# KiCad board Ultrasonic Sound Steering - Control Rev. B.kicad_pcb (continued)
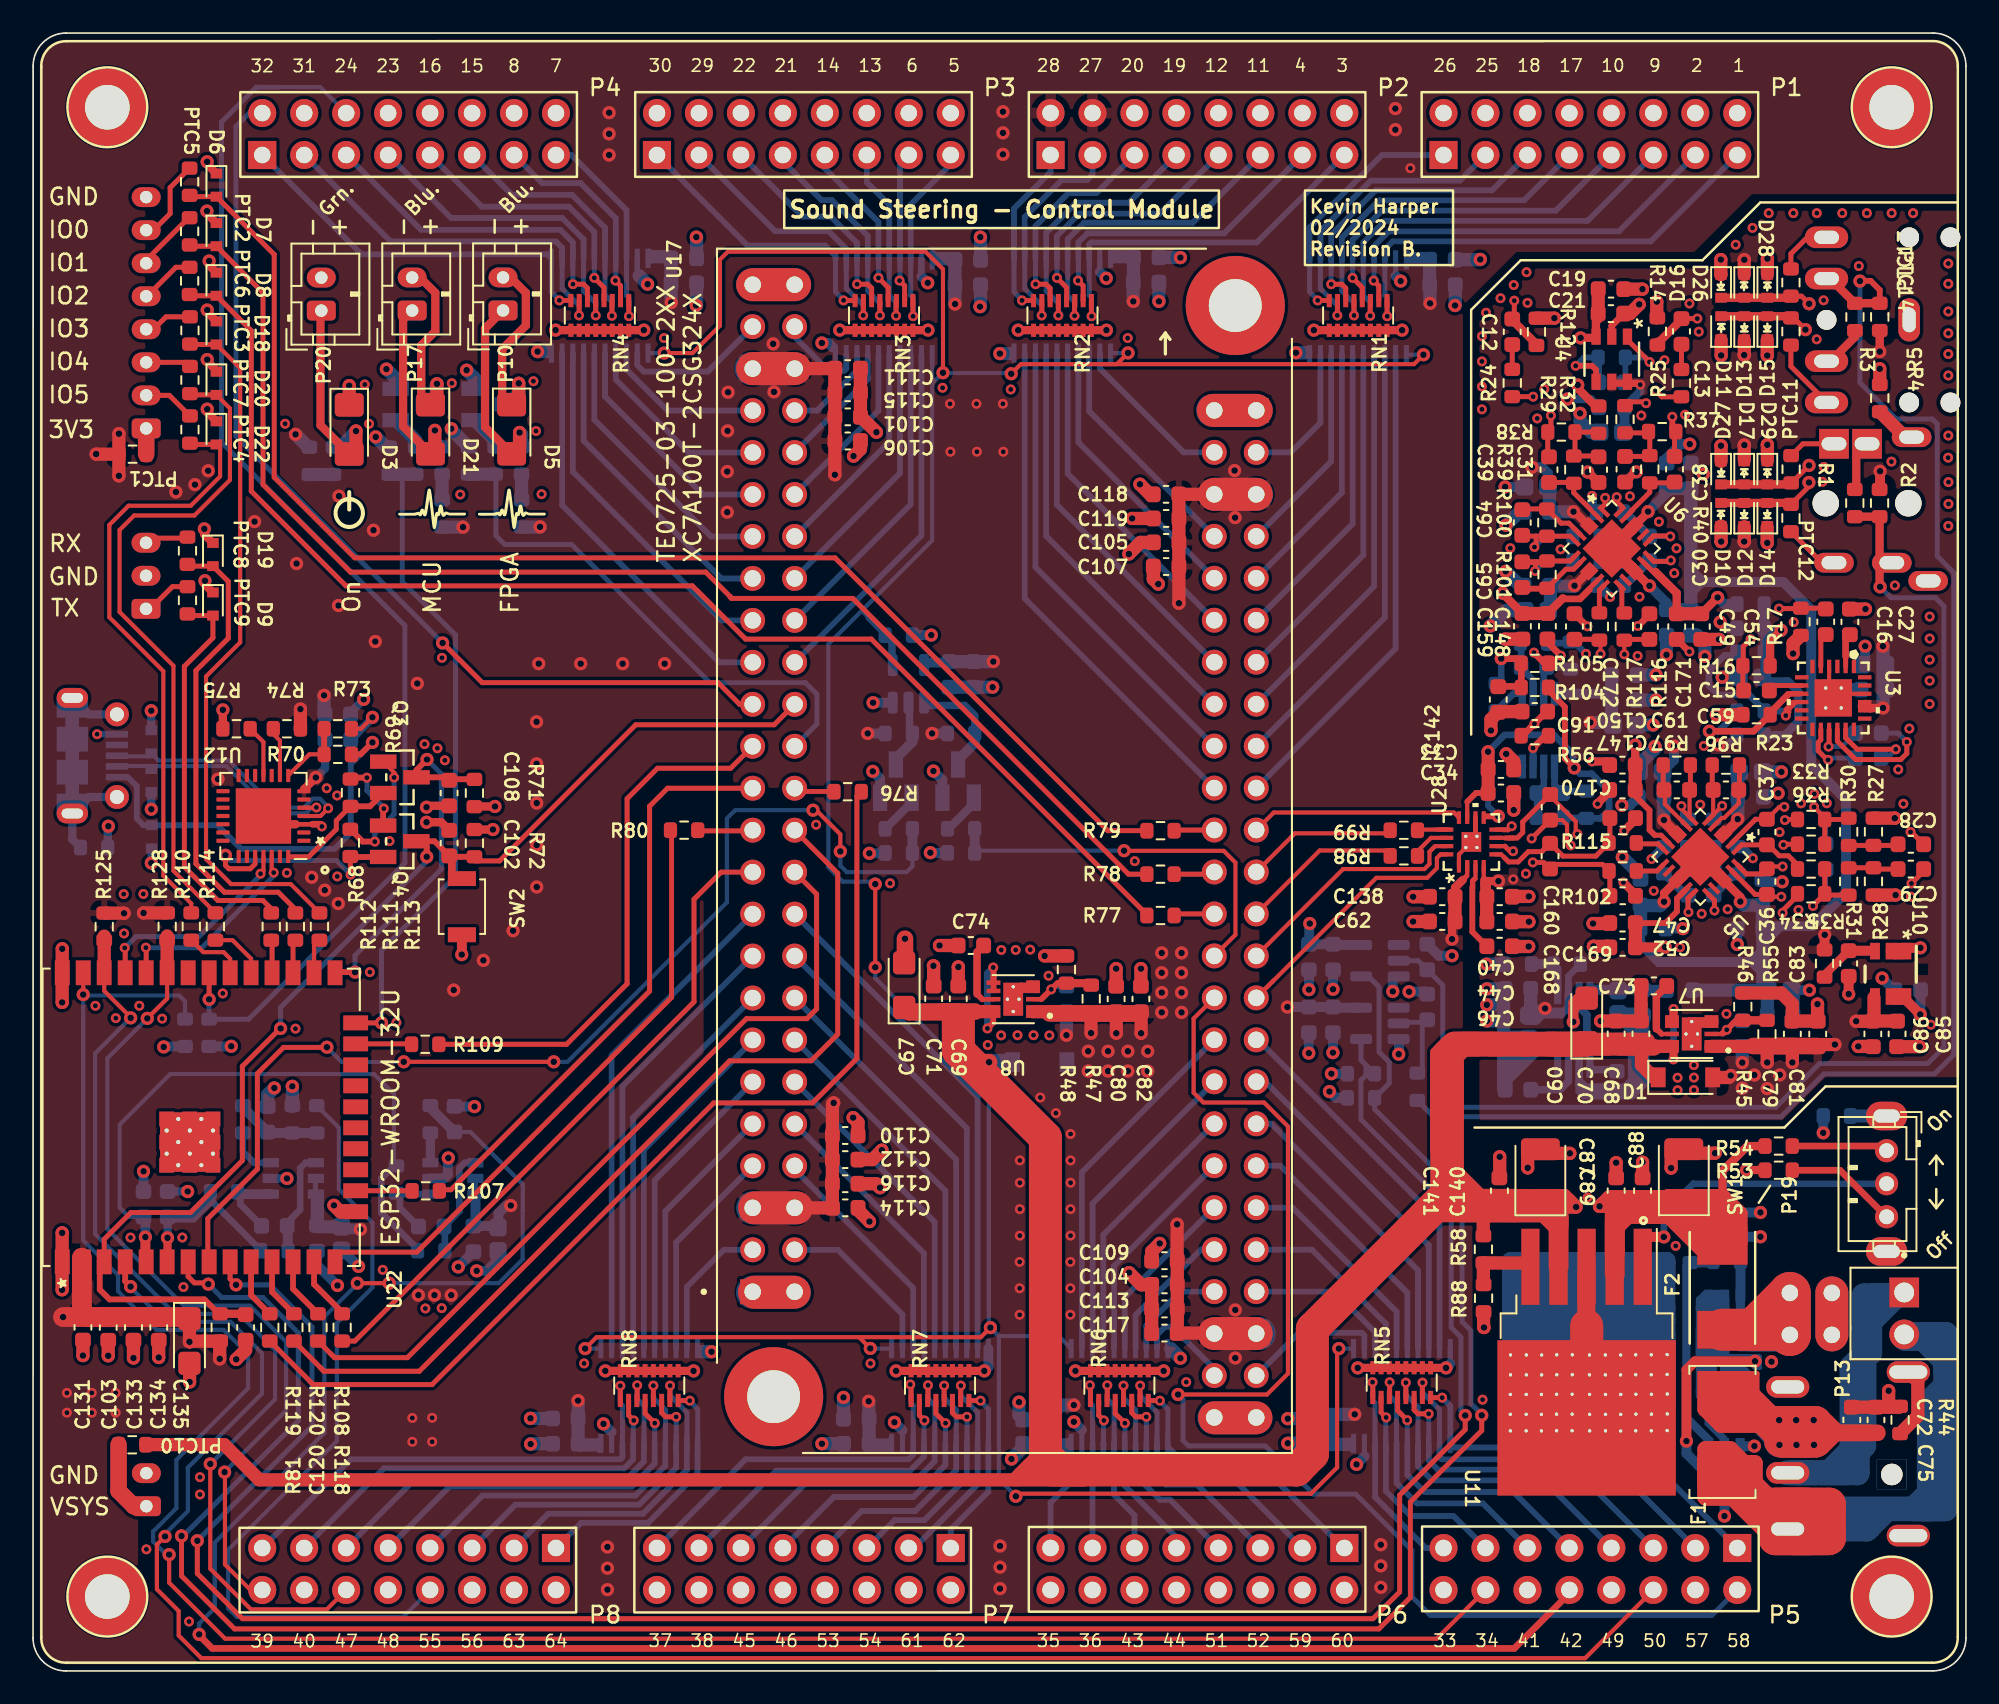
[diagram p0: board, top side]
## Nets (continued)
Net-(C37-Pad2): C37.2 R35.2 U5.2
Net-(C38-Pad1): C38.1 R40.2 U6.23
Net-(C38-Pad2): C38.2 R37.2 U6.24
Net-(C39-Pad1): C39.1 R38.2 U6.1
Net-(C39-Pad2): C39.2 R39.2 U6.2
Net-(C42-Pad2): C42.2 U28.9
Net-(C46-Pad2): C46.2 U28.3
Net-(C55-Pad1): C55.1 R41.2 U5.19
Net-(C55-Pad2): C55.2 R92.2
Net-(C56-Pad1): C56.1 R43.2 U5.18
Net-(C56-Pad2): C56.2 R93.2
Net-(C57-Pad1): C57.1 R42.2 U6.19
Net-(C57-Pad2): C57.2 R95.2
Net-(C58-Pad1): C58.1 R87.2 U6.18
Net-(C58-Pad2): C58.2 R94.2
Net-(C59-Pad1): C59.1 R92.1 R96.2 U5.6
Net-(C59-Pad2): C59.2 R96.1 U5.5
Net-(C61-Pad1): C61.1 R97.2 U5.8
Net-(C61-Pad2): C61.2 R93.1 R97.1 U5.7
Net-(C64-Pad1): C64.1 R95.1 R100.2 U6.6
Net-(C64-Pad2): C64.2 R100.1 U6.5
Net-(C65-Pad1): C65.1 R101.2 U6.8
Net-(C65-Pad2): C65.2 R94.1 R101.1 U6.7
Net-(C72-Pad2): C72.2 C75.2 F1.2 Q5.1 Q5.2 Q5.5 Q5.6
Net-(C73-Pad2): C73.2 U7.8
Net-(C74-Pad2): C74.2 U8.8
Net-(C76-Pad1): C76.1 R45.1 R46.2 U7.3
Net-(C77-Pad1): C77.1 R47.1 R48.2 U8.3
Net-(C78-Pad1): C78.1 R50.1
Net-(C83-Pad2): C83.2 R55.1 U10.3
Net-(C87-Pad2): C87.2 C88.1 C89.2 D4.1 F2.2 R54.2 U11.2
Net-(C90-Pad2): C90.2 C91.2 R56.1 U10.5 U10.6
Net-(C93-Pad1): C93.1 R90.2 U23.1
Net-(C93-Pad2): C93.2 R57.1 U23.2
Net-(C137-Pad1): C137.1 U24.3
Net-(C137-Pad2): C137.2 U24.5
Net-(C142-Pad2): C142.2 R104.1 R105.1 R106.1
Net-(C151-Pad1): C151.1 U24.7
Net-(C152-Pad1): C152.1 R122.2 U23.7
Net-(C152-Pad2): C152.2 R121.1 U23.6
Net-(C153-Pad2): C153.2 C154.1 L1.1 U24.4
Net-(C162-Pad1): C162.1 R130.2 U27.2
Net-(C163-Pad2): C163.2 R129.2 U26.2
Net-(D3-Pad2): D3.2 P20.1 R52.2
Net-(D5-Pad1): D5.1 P10.2 Q1.3
Net-(D5-Pad2): D5.2 P10.1 R60.2
Net-(D21-Pad1): D21.1 P17.2 Q2.3
Net-(D21-Pad2): D21.2 P17.1 R64.2
Net-(F1-Pad1): F1.1 P9.1 P13.2
Net-(P1-Pad1): P1.1 RN1.16 U14.11
Net-(P1-Pad3): P1.3 RN1.15 U14.12
Net-(P1-Pad5): P1.5 RN1.14 U14.13
Net-(P1-Pad7): P1.7 RN1.13 U14.14
Net-(P1-Pad9): P1.9 RN1.12 U14.15
Net-(P1-Pad11): P1.11 RN1.11 U14.16
Net-(P1-Pad13): P1.13 RN1.10 U14.17
Net-(P1-Pad15): P1.15 RN1.9 U14.18
Net-(P2-Pad1): P2.1 RN2.16 U19.11
Net-(P2-Pad3): P2.3 RN2.15 U19.12
Net-(P2-Pad5): P2.5 RN2.14 U19.13
Net-(P2-Pad7): P2.7 RN2.13 U19.14
Net-(P2-Pad9): P2.9 RN2.12 U19.15
Net-(P2-Pad11): P2.11 RN2.11 U19.16
Net-(P2-Pad13): P2.13 RN2.10 U19.17
Net-(P2-Pad15): P2.15 RN2.9 U19.18
Net-(P3-Pad1): P3.1 RN3.16 U16.11
Net-(P3-Pad3): P3.3 RN3.15 U16.12
Net-(P3-Pad5): P3.5 RN3.14 U16.13
Net-(P3-Pad7): P3.7 RN3.13 U16.14
Net-(P3-Pad9): P3.9 RN3.12 U16.15
Net-(P3-Pad11): P3.11 RN3.11 U16.16
Net-(P3-Pad13): P3.13 RN3.10 U16.17
Net-(P3-Pad15): P3.15 RN3.9 U16.18
Net-(P4-Pad1): P4.1 RN4.16 U21.11
Net-(P4-Pad3): P4.3 RN4.15 U21.12
Net-(P4-Pad5): P4.5 RN4.14 U21.13
Net-(P4-Pad7): P4.7 RN4.13 U21.14
Net-(P4-Pad9): P4.9 RN4.12 U21.15
Net-(P4-Pad11): P4.11 RN4.11 U21.16
Net-(P4-Pad13): P4.13 RN4.10 U21.17
Net-(P4-Pad15): P4.15 RN4.9 U21.18
Net-(P5-Pad1): P5.1 RN5.16 U13.11
Net-(P5-Pad3): P5.3 RN5.15 U13.12
Net-(P5-Pad5): P5.5 RN5.14 U13.13
Net-(P5-Pad7): P5.7 RN5.13 U13.14
Net-(P5-Pad9): P5.9 RN5.12 U13.15
Net-(P5-Pad11): P5.11 RN5.11 U13.16
Net-(P5-Pad13): P5.13 RN5.10 U13.17
Net-(P5-Pad15): P5.15 RN5.9 U13.18
Net-(P6-Pad1): P6.1 RN6.16 U18.11
Net-(P6-Pad3): P6.3 RN6.15 U18.12
Net-(P6-Pad5): P6.5 RN6.14 U18.13
Net-(P6-Pad7): P6.7 RN6.13 U18.14
Net-(P6-Pad9): P6.9 RN6.12 U18.15
Net-(P6-Pad11): P6.11 RN6.11 U18.16
Net-(P6-Pad13): P6.13 RN6.10 U18.17
Net-(P6-Pad15): P6.15 RN6.9 U18.18
Net-(P7-Pad1): P7.1 RN7.16 U15.11
Net-(P7-Pad3): P7.3 RN7.15 U15.12
Net-(P7-Pad5): P7.5 RN7.14 U15.13
Net-(P7-Pad7): P7.7 RN7.13 U15.14
Net-(P7-Pad9): P7.9 RN7.12 U15.15
Net-(P7-Pad11): P7.11 RN7.11 U15.16
Net-(P7-Pad13): P7.13 RN7.10 U15.17
Net-(P7-Pad15): P7.15 RN7.9 U15.18
Net-(P8-Pad1): P8.1 RN8.16 U20.11
Net-(P8-Pad3): P8.3 RN8.15 U20.12
Net-(P8-Pad5): P8.5 RN8.14 U20.13
Net-(P8-Pad7): P8.7 RN8.13 U20.14
Net-(P8-Pad9): P8.9 RN8.12 U20.15
Net-(P8-Pad11): P8.11 RN8.11 U20.16
Net-(P8-Pad13): P8.13 RN8.10 U20.17
Net-(P8-Pad15): P8.15 RN8.9 U20.18
Net-(P9-Pad5): P9.5 P9.6 R44.2
Net-(P11-Pad2): P11.2 PTC12.2
Net-(P11-Pad3): P11.3 PTC11.2
Net-(P11-Pad4): P11.4 R4.2
Net-(P11-Pad6): P11.6 R2.2
Net-(P12-Pad2): P12.2 PTC14.2
Net-(P12-Pad3): P12.3 PTC13.2
Net-(P12-Pad4): P12.4 R5.2
Net-(P13-Pad1): P9.3 P13.1
Net-(P14-Pad1): P14.1 PTC1.1
Net-(P14-Pad2): P14.2 PTC4.1
Net-(P14-Pad3): P14.3 PTC7.1
Net-(P14-Pad4): P14.4 PTC3.1
Net-(P14-Pad5): P14.5 PTC6.1
Net-(P14-Pad6): P14.6 PTC2.1
Net-(P14-Pad7): P14.7 PTC5.1
Net-(P15-Pad1): P15.1 PTC9.1
Net-(P15-Pad3): P15.3 PTC8.1
Net-(P18-Pad6): P18.6 R67.2
Net-(P19-Pad1): R53.2 SW1.1
Net-(P19-Pad3): R54.1 SW1.3
Net-(P21-Pad1): P21.1 PTC10.2
Net-(Q1-Pad1): Q1.1 R61.2
Net-(Q2-Pad1): Q2.1 R65.2
Net-(Q3-Pad1): Q3.1 R68.2
Net-(Q4-Pad1): Q4.1 R69.2
Net-(Q5-Pad3): Q5.3 U9.5
Net-(Q5-Pad4): Q5.4 Q6.1 Q6.2 Q6.5 Q6.6 U9.1
Net-(Q6-Pad3): Q6.3 R49.2
Net-(Q7-Pad1): Q7.1 R83.2
Net-(Q7-Pad3): Q7.3 R84.2 U25.2
Net-(Q8-Pad1): Q8.1 R86.2
Net-(Q8-Pad3): Q8.3 R91.2 U25.1
Net-(R8-Pad1): R8.1 U1.3
Net-(R9-Pad2): R9.2 U2.3
Net-(R19-Pad1): R19.1 R22.2 U3.10
Net-(R22-Pad1): R22.1 R23.2 U3.9
Net-(R49-Pad1): R49.1 R50.2 U9.4
Net-(R51-Pad1): R51.1 R52.1
Net-(R56-Pad2): R56.2 U23.3
Net-(R58-Pad1): R58.1 R88.2 U11.5
Net-(R59-Pad1): R59.1 R60.1
Net-(R63-Pad1): R63.1 R64.1
Net-(R70-Pad1): R70.1 R73.1 U12.8
Net-(R74-Pad2): R74.2 U12.9
Net-(R75-Pad1): R75.1 U12.11
Net-(R76-Pad2): R76.2 U17.26_1
Net-(R77-Pad1): R77.1 U17.26_2
Net-(R78-Pad1): R78.1 U17.24_2
Net-(R79-Pad1): R79.1 U17.22_2
Net-(R80-Pad1): R80.1 U17.23_1
Net-(R98-Pad1): R98.1 U28.14
Net-(R99-Pad1): R99.1 U28.13
Net-(R102-Pad2): R102.2 U5.13
Net-(R103-Pad2): R89.1 R103.2 U24.1
Net-(R106-Pad2): R106.2 U23.5
Net-(R107-Pad1): R107.1 U22.16
Net-(R108-Pad1): R108.1 U22.13
Net-(R109-Pad1): R109.1 U22.23
Net-(R110-Pad1): R110.1 U22.30
Net-(R111-Pad1): R111.1 U22.27
Net-(R112-Pad1): R112.1 U22.28
Net-(R113-Pad1): R113.1 U22.26
Net-(R114-Pad1): R114.1 U22.29
Net-(R115-Pad2): R115.2 U5.12
Net-(R116-Pad2): R116.2 U6.13
Net-(R117-Pad2): R117.2 U6.12
Net-(R118-Pad1): R118.1 U22.10
Net-(R119-Pad1): R119.1 U22.11
Net-(R120-Pad1): R120.1 U22.12
Net-(R126-Pad1): R126.1 SW1.4 SW1.5
Net-(U13-Pad2): U13.2 U17.47_2
Net-(U13-Pad3): U13.3 U17.43_2
Net-(U13-Pad4): U13.4 U17.41_2
Net-(U13-Pad5): U13.5 U17.39_2
Net-(U13-Pad6): U13.6 U17.37_2
Net-(U13-Pad7): U13.7 U17.35_2
Net-(U13-Pad8): U13.8 U17.33_2
Net-(U13-Pad9): U13.9 U17.31_2
Net-(U14-Pad2): U14.2 U17.19_2
Net-(U14-Pad3): U14.3 U17.17_2
Net-(U14-Pad4): U14.4 U17.15_2
Net-(U14-Pad5): U14.5 U17.13_2
Net-(U14-Pad6): U14.6 U17.11_2
Net-(U14-Pad7): U14.7 U17.9_2
Net-(U14-Pad8): U14.8 U17.7_2
Net-(U14-Pad9): U14.9 U17.3_2
Net-(U15-Pad2): U15.2 U17.4_1
Net-(U15-Pad3): U15.3 U17.8_1
Net-(U15-Pad4): U15.4 U17.10_1
Net-(U15-Pad5): U15.5 U17.12_1
Net-(U15-Pad6): U15.6 U17.14_1
Net-(U15-Pad7): U15.7 U17.16_1
Net-(U15-Pad8): U15.8 U17.18_1
Net-(U15-Pad9): U15.9 U17.20_1
Net-(U16-Pad2): U16.2 U17.32_1
Net-(U16-Pad3): U16.3 U17.34_1
Net-(U16-Pad4): U16.4 U17.36_1
Net-(U16-Pad5): U16.5 U17.38_1
Net-(U16-Pad6): U16.6 U17.40_1
Net-(U16-Pad7): U16.7 U17.42_1
Net-(U16-Pad8): U16.8 U17.44_1
Net-(U16-Pad9): U16.9 U17.48_1
Net-(U17-Pad3_1): U17.3_1 U20.9
Net-(U17-Pad4_2): U17.4_2 U19.2
Net-(U17-Pad7_1): U17.7_1 U20.8
Net-(U17-Pad8_2): U17.8_2 U19.3
Net-(U17-Pad9_1): U17.9_1 U20.7
Net-(U17-Pad10_2): U17.10_2 U19.4
Net-(U17-Pad11_1): U17.11_1 U20.6
Net-(U17-Pad12_2): U17.12_2 U19.5
Net-(U17-Pad13_1): U17.13_1 U20.5
Net-(U17-Pad14_2): U17.14_2 U19.6
Net-(U17-Pad15_1): U17.15_1 U20.4
Net-(U17-Pad16_2): U17.16_2 U19.7
Net-(U17-Pad17_1): U17.17_1 U20.3
Net-(U17-Pad18_2): U17.18_2 U19.8
Net-(U17-Pad19_1): U17.19_1 U20.2
Net-(U17-Pad20_2): U17.20_2 U19.9
Net-(U17-Pad31_1): U17.31_1 U21.9
Net-(U17-Pad32_2): U17.32_2 U18.2
Net-(U17-Pad33_1): U17.33_1 U21.8
Net-(U17-Pad34_2): U17.34_2 U18.3
Net-(U17-Pad35_1): U17.35_1 U21.7
Net-(U17-Pad36_2): U17.36_2 U18.4
Net-(U17-Pad37_1): U17.37_1 U21.6
Net-(U17-Pad38_2): U17.38_2 U18.5
Net-(U17-Pad39_1): U17.39_1 U21.5
Net-(U17-Pad40_2): U17.40_2 U18.6
Net-(U17-Pad41_1): U17.41_1 U21.4
Net-(U17-Pad42_2): U17.42_2 U18.7
Net-(U17-Pad43_1): U17.43_1 U21.3
Net-(U17-Pad44_2): U17.44_2 U18.8
Net-(U17-Pad47_1): U17.47_1 U21.2
Net-(U17-Pad48_2): U17.48_2 U18.9

Pads without a net: P18 4; U3 1 3 6 7 11 12 13 18 19 23 24; U5 14 20; U6 14 20; U9 3; U12 1 2 10 12 13 14 15 16 17 18 19 20 21 22 23 27; U22 17 18 19 20 21 22 32; U24 8; U26 1; U27 1

## Via types
v1: diameter 0.8, hole 0.4, Top to Bottom, 442 vias
v2: diameter 0.6, hole 0.3, Top to Bottom, 319 vias

## Routing (per net, layer and track width the routed paths; a pad name or vN(x,y) marks a point on that pad's centre or on a via; arc(x,y) is an arc through that point)
+3.3VA: length 95
  Top w0.2: 98.86,51.2 99.31,50.74 99.39,50.74 ; 102.47,50.87 103.24,51.65 ; v1(98.71,51.51) 98.71,51.12 U5.10 ; 99.44,50.82 99.33,50.82 99.37,50.78 U5.10 ; 99.44,50.82 U5.9 U5.10 ; 99.44,50.82 99.44,50.73 99.38,50.67 ; 103.2,51.39 102.5,50.69 102.37,50.69 ; 99.13,50.84 98.87,51.11 ; 99,51.05 98.74,51.32 ; U5.4 102.53,50.82 ; U5.3 102.46,50.75 ; 102.84,51.11 103.11,51.38 ; 103.05,51.24 103.32,51.51 ; 103.18,51.46 v1(103.18,51.56)
  Top w0.25: 94.33,69.2 94.26,69.13 U6.4 ; U7.2 U7.1 ; U4.5 97.11,78.04 v2(97.28,77.86) 96.68,77.86 U4.6 ; 87.85,47.59 87.85,47.02 C40.2 ; v1(93.3,65.69) 93.3,65.69 ; 87.81,47.91 U28.4 ; 95.49,77.86 97.04,77.86
  Top w0.3: 87.85,47.87 87.81,47.91
  Top w0.35: 102.02,50.54 102.17,50.39 ; 94.27,69.2 94.33,69.2 ; 99.81,50.54 99.67,50.39 ; 94.43,69.19 94.29,69.04 ; 94.3,66.83 94.45,66.68 ; 102.17,50.68 102.32,50.53 ; 99.44,50.91 99.3,50.76 ; 101.35,37.86 101.35,37.66 ; 101.35,37.94 101.35,37.74 ; 99.66,50.67 99.52,50.52
  Top w0.5: 110.7,58.44 110.7,58.34 ; C40.2 88,47.74 88.07,47.81 v1(88.7,47.81) ; 93.15,70.2 93.21,70.2 v1(93.24,70.17) 93.3,70.17 94.27,69.2 ; 87.85,46.87 87.85,47.87 ; 93.3,65.69 94.27,66.65 ; v1(111.98,58.29) 111.12,58.29 111.02,58.39 ; 111.78,81.14 v1(111.78,79.86) ; 110.85,58.39 110.75,58.39 ; 111.3,58.27 111.2,58.27
  Top w0.6: 102.35,50.67 102.39,50.67 103.18,51.46 ; v1(98.71,51.51) 98.71,51.46 99.5,50.67 ; 108.57,43.74 108.48,43.65 R55.2 108.44,44.55 v1(108.45,44.56) ; v1(111.8,72.62) 111.8,71.55 R1.1
  Top w0.8: v1(102.76,36.04) 102.64,35.92 101.82,35.92 ; v1(103.58,85.42) 103.57,85.42 D26.1 ; 87.99,45.36 87.99,46.91 ; 104.97,37.88 v1(104.97,36.83) ; v1(103.57,79.65) 103.58,79.66 103.58,80.55 ; v1(110.35,39.33) 111.49,39.33 ; 104.96,37.74 106.44,37.74 ; v1(103.58,74.2) 103.58,74.2 103.58,73.3 ; 111.43,39.4 111.43,40.76 ; v1(109.06,37.92) 107.97,37.92 ; 106.49,37.9 v1(106.49,36.83) ; 103.58,69.26 103.58,68.37 v1(103.57,68.36) ; 104.04,37.81 101.59,37.81 ; 112.85,39.34 111.33,39.34
  Top w1: 108,37.83 105.45,37.83 ; 106.66,37.83 104.11,37.83
  Bottom w0.2: 95.15,59.15 C157.1
  Bottom w0.25: 90.65,39.74 90.41,39.5
  Bottom w0.4: v1(102.03,56.05) 102.52,56.05 103.12,56.65 ; U24.2 92.93,42.06 R89.2
  Bottom w0.45: 92.71,39.95 92.48,39.72 91.17,39.72 ; U24.2 92.93,40.18 92.69,39.93 91.69,39.93 v1(91.52,40.1) 90.95,40.1 C92.1 ; 92.94,41.05 92.94,40.45
  Bottom w0.5: C23.1 97.28,77.45 v2(97.28,77.86)
  Bottom w0.6: C145.1 99.33,55.14 v1(99.33,55.98) ; 92.35,59.15 95.15,59.15 ; v1(90.73,72.86) 91.33,72.86 91.7,72.49 C149.1 ; C23.1 96.32,74.99
  Bottom w0.8: v1(93.24,70.17) 93.23,70.16 C50.1 ; 90.41,39.5 90.92,39.5 v1(91.52,40.1) ; C136.1 90.65,39.74 ; C161.1 95.47,57.41 v1(94.26,57.41) ; v1(111.98,58.29) 111.98,62.02 v1(111.97,62.03) ; C155.1 95.54,57.61 ; v1(93.3,65.69) 93.27,65.66 91.84,65.66 91.84,64.16 ; 103.18,54.41 103.18,52.92 C48.1 103.19,51.57 v1(103.18,51.56) ; v1(103.46,36.82) 103.46,37.79 ; C50.1 91.83,70.2 ; C50.1 91.79,71.66 ; 98.71,54.42 C143.1 v1(98.71,51.51)
  vias: v1(103.46,35.27) v1(104.19,36.07) v1(104.97,35.25) v1(105.73,36.08) v2(89.6,47.92)
+3V3: length 195
  Top w0.25: 60.52,40.16 63.75,40.16 R47.2 63.85,39.66 60.52,39.66 ; 16.19,57.04 R74.1 ; 3.83,73.65 v1(3.82,73.66) ; 86.81,48.13 86.81,48.93
  Top w0.3: 86.64,47.96 86.07,47.4 C138.2 ; 86.21,47.57 86.78,48.13
  Top w0.35: 60.28,40.02 60.28,39.81
  Top w0.5: v1(85.89,44.3) 85.89,45.85 ; 16.41,53.37 16.53,53.37 ; 86.54,47.88 86.07,47.42 86.07,46.77 85.89,46.58 ; 16.43,53.39 v1(17.12,54.08)
  Top w0.8: 3.03,21.57 C131.2 3.04,21.59 ; 4.35,45.87 5.5,45.87 v1(5.51,45.86) ; U17.6_1 C114.2 48.38,28.04 C110.2 48.38,34.31 v1(48.46,34.39) ; 86.07,45.39 86.07,46.94 ; 8.07,45.88 v1(6.69,45.88) ; R47.2 64.04,39.85 64.04,38.6 ; R81.1 11.3,19.94 v1(11.3,18.89) ; C135.1 v1(9.47,19.92) 9.51,19.96 11.37,19.96 ; v1(69.25,27.04) 69.25,24.99 ; 4.52,21.59 4.55,21.56 ; 65.57,38.61 65.57,39.86 ; v1(69.36,64.63) 69.36,66.68 ; U17.46_1 C111.2 C106.2 v1(48.53,72.41) ; U17.6_2 C118.2 69.35,66.86 C107.2 ; 16.19,57.04 v1(16.19,58.22) ; U17.46_2 71.47,20.45 C117.2 C109.2 ; 67.07,38.61 67.07,39.86 ; PTC1.2 v1(5.2,74.89) ; PTC1.2 v1(5.2,72.34) ; PTC1.2 3.83,73.65 ; 62.96,39.9 60.51,39.9
  Top w1: 67.06,39.8 64.23,39.8 ; 63.65,39.8 61.53,39.8 ; 66.49,39.8 63.66,39.8
  Top w1.2: 2.96,21.59 2.96,25.01 ; 9.54,21.42 4.96,21.42 ; 7.89,21.42 3.31,21.42 ; v1(1.82,21.42) 6.53,21.42
  Top w2: U17.46_1 U17.45_1 ; 43.68,28.03 46.22,28.03 ; U17.46_2 U17.45_2 ; U17.6_2 U17.5_2
  Bottom w0.2: 55.4,61.03 C128.1 ; 80.34,43.99 U26.5 ; U25.5 54.08,61.03
  Bottom w0.25: 19.07,26.73 18.83,26.97 19.58,26.97 v1(19.82,26.73) ; 80.34,40.19 U27.5 ; 26.78,27.05 C9.1 ; 28.08,26.93 28.17,26.85 ; 17.62,57.96 C98.2 ; 26.66,28.74 U1.6 ; v1(28.92,28.17) 28.64,28.17 ; 77.3,44.37 76.92,43.99 ; 16.68,74.08 16.66,74.08 ; 18.69,26.89 18.75,26.89
  Bottom w0.3: 17.09,29.06 17.09,29.65 ; 26.78,29.06 26.78,29.65
  Bottom w0.4: 54.48,85.23 54.48,85.74 ; 83.2,85.28 83.2,85.79 ; 51.87,13.89 51.87,13.38 ; 54.49,85.27 54.49,85.78 ; 62.72,13.94 62.72,13.43 ; 37.3,85.39 37.3,85.9 ; 79.85,13.93 79.85,13.42 ; 83.19,85.24 83.19,85.75 ; 62.71,13.9 62.71,13.39 ; 37.29,85.35 37.29,85.86 ; 51.88,13.93 51.88,13.42 ; 34.31,13.94 34.31,13.43 ; 34.3,13.9 34.3,13.39 ; 79.86,13.97 79.86,13.46 ; 65.29,85.35 65.29,85.86 ; 65.3,85.39 65.3,85.9
  Bottom w0.45: C164.1 78.74,43.93 ; 80.29,43.93 80.34,43.99
  Bottom w0.5: v1(17.12,54.08) 17.68,54.64 C132.2 ; 17.68,57.94 17.68,55.18
  Bottom w0.6: C9.1 28.08,26.93 ; 80.3,40.15 78.72,40.15 C166.1 C167.1 v1(75.92,40.19) ; 28.64,28.17 28.17,27.7 28.17,26.85 ; 54.08,61.03 55.4,61.03 ; v1(50.52,56.75) R84.1 ; C164.1 C165.1 77.25,44.01 77.25,45.21 v1(77.28,45.24) ; 18.75,26.89 18.83,26.97 ; v1(54.42,56.75) R91.1 ; v1(19.82,26.73) 18.84,26.73 18.69,26.89 ; 80.28,43.94 78.73,43.94 78.74,43.93 ; U1.6 26.78,27.05
  Bottom w0.8: C2.2 66.6,84.05 C95.2 ; v1(26.03,69.24) R63.2 ; v1(58.12,61.1) C127.1 C128.1 ; v1(17.62,59.05) 17.62,57.96 ; 50.59,15.17 50.59,16.31 ; 61.45,13.75 61.45,15.25 ; C1.2 C94.2 ; 17.21,26.98 17.21,28.59 ; v1(63,16.09) 62.21,16.09 61.44,15.32 61.44,15.19 ; 17.27,26.89 18.75,26.89 ; 66.52,85.6 65.48,85.6 ; 78.54,15.27 C122.2 ; v1(55.81,82.74) 55.8,82.75 C96.2 55.8,83.9 55.8,85.41 ; 33,15.21 33,16.35 ; 84.42,85.49 83.38,85.49 ; 16.66,74.08 v1(15.89,74.85) ; C100.2 C97.2 ; v1(66.6,82.9) 66.59,82.91 66.59,84.05 66.59,84.06 ; v1(80,15.53) 78.55,15.53 ; 38.62,83.98 38.62,82.84 ; 17.21,27.13 17.21,28.74 ; R59.2 30.68,69.24 v1(30.69,69.25) ; 50.65,13.68 51.69,13.68 ; 62.55,39.86 v1(62.55,38.48) ; 61.5,13.68 62.54,13.68 ; 33.07,13.67 32.99,13.75 32.99,15.28 ; 38.52,85.6 37.48,85.6 ; 55.71,85.48 54.67,85.48 ; 78.64,13.71 79.68,13.71 ; C126.2 38.61,83.99 ; 84.55,83.93 84.55,82.79 ; 33.09,13.68 34.13,13.68
  Bottom w2: 74.22,20.42 71.68,20.42 ; U17.6_1 U17.5_1 ; 46,78.83 43.46,78.83 ; 74.07,71.22 71.53,71.22
  vias: v1(8.65,71.37) v1(9.8,71.81) v1(10.6,72.65) v1(11.2,53.98) v1(13.41,69.57) v1(15.95,67.03) v1(16.87,48.04) v1(17.66,47.26) v1(18.49,64.49) v1(18.48,46.45) v1(18.52,71.11) v1(20.61,69.05) v1(20.72,62.31) v1(23.26,59.77) v1(23.32,22.75) v1(24.3,22.75) v1(25.31,22.75) v1(25.46,41.22) v1(27.26,43.01) v1(29.05,44.81) v1(30.48,57.45) v1(30.48,54.91) v1(30.49,52.53) v1(30.49,49.99) v1(30.49,47.45) v1(30.61,60.97) v1(32.99,16.36) v1(33.15,60.97) v1(34.77,7.5) v1(34.77,6.22) v1(34.77,4.92) v1(34.87,94.32) v1(34.87,93.04) v1(34.87,91.76) v1(35.69,60.97) v1(38.23,60.97) v1(38.63,82.83) v1(42.07,77.4) v1(42.04,75.06) v1(42.02,72.6) v1(42.02,70.14) v1(44.8,80.33) v1(44.85,77.42) v1(50.58,16.32) v1(58.53,7.56) v1(58.53,6.28) v1(58.53,4.98) v1(58.71,94.38) v1(58.71,93.1) v1(58.71,91.8) v1(63.87,37.51) v1(63.87,36.31) v1(64.04,38.61) v1(65.07,37.51) v1(65.07,36.31) v1(65.57,38.6) v1(66.27,37.51) v1(66.27,36.31) v1(67.07,38.6) v1(67.47,37.51) v1(67.47,36.31) v1(68.32,43.46) v1(68.32,42.26) v1(68.32,41.06) v1(68.32,39.86) v1(69.52,43.46) v1(69.52,42.26) v1(69.52,41.06) v1(69.52,39.86) v1(72.73,72.66) v1(72.76,69.81) v1(72.77,21.85) v1(72.77,18.94) v1(81.58,7.64) v1(81.58,6.36) v1(81.58,5.06) v1(82.46,94.57) v1(82.46,93.29) v1(84.56,82.78) v2(2.05,16.83) v2(2.05,15.63) v2(3.56,16.83) v2(3.56,15.63) v2(5,16.83) v2(5,15.63) v2(22.96,15.31) v2(22.96,13.87) v2(24.16,15.32) v2(24.16,13.87) v2(55.5,76.7) v2(55.53,73.8) v2(57.1,76.7) v2(57.13,73.8) v2(58.7,76.7) v2(58.73,73.8) v2(59.73,30.9) v2(59.73,29.55) v2(59.73,27.95) v2(59.73,26.35) v2(59.72,24.76) v2(59.72,23.16) v2(59.72,21.56) v2(60.97,34.71) v2(61.91,33.77) v2(62.8,32.5) v2(62.8,30.9) v2(62.8,29.55) v2(62.8,27.95) v2(62.8,26.35) v2(62.79,24.76) v2(62.79,23.16) v2(62.79,21.56) v2(83.37,90.96)
+4V: length 315.4
  Top w0.25: U7.6 99.2,39.98 v2(99.3,40.07) ; 58.13,41.66 U8.6 U8.7 ; 56.82,40.11 57.02,39.91 ; 88.09,28.3 87.78,28.61 ; 92.34,27.4 C140.1 ; 88.57,28.23 88.82,28.23 ; 99.07,39.19 U7.7 ; 58.13,42.57 v2(58.12,42.58) ; 89.78,28.61 86.35,28.61 ; 87.66,26.48 R58.2
  Top w0.35: v2(57.77,38.89) 58.12,39.24 58.12,39.91 ; 58.14,41.2 58.14,42.11 ; 99.42,37.82 99.29,37.69 ; 56.82,40.11 56.85,40.15 ; 58.38,40.03 58.38,39.82 ; 99.45,37.92 99.45,37.72 ; 58.14,41.7 58.14,42.61
  Top w0.5: v2(99.3,40.07) 99.3,39.31 99.17,39.19 99.07,39.19 ; 99.15,39.46 99.15,39.18 ; 84.83,36.49 84.83,37.48 85.53,38.18 ; 99.29,37.69 v2(99.29,37.02) ; 99.03,39.41 99.03,39.22 ; 99.37,39.4 99.37,39.21
  Top w0.6: 91.71,27.98 93.3,27.98 v1(93.4,28.08) 91.69,28.08 ; 92.76,28.86 91.02,28.86
  Top w0.8: 92.01,28.23 91.97,28.27 ; 86.64,27.56 89.93,27.56 ; 60.44,12.52 59.52,11.6 ; C140.1 92.98,28.5 v1(93.4,28.08) ; 89.19,27.56 92.48,27.56 ; 60.31,12.5 59.39,11.58 ; 13.69,11.58 13.68,11.58 11.57,13.7 ; 93.19,28.29 92.72,28.76 ; 60.89,12.97 59.97,12.05 ; 60.65,12.84 59.73,11.92 ; 88.76,28.3 88.82,28.23 ; 61.46,12.83 60.54,11.91 ; 59.72,11.7 60.04,12.02 ; 86.19,30.2 88.09,28.3 89.86,28.3 ; 91.25,27.69 92.38,26.56 ; D1.1 98.1,35.93 97.35,36.68 97.35,37.38 ; 99.22,37.81 96.77,37.81 ; 61.51,12.23 61.51,12.79 61.44,12.86 60.88,12.86 59.96,11.94 ; 88.07,27.56 91.36,27.56 ; PTC10.1 6.84,13.7 11.57,13.7 ; 58.12,39.91 55.67,39.91 ; 63.89,11.89 63.57,11.57 ; 92.54,28.65 92.54,26.91 ; 63.57,11.57 13.7,11.57 ; 13.7,11.59 13.68,11.59 ; 90.79,28.76 92.53,28.76 ; 59.91,11.89 59.59,11.57 ; 87.78,28.09 87.78,26.35
  Top w1: 90.06,38.15 90.1,38.19 92.09,38.19 ; 85.08,32.69 85.08,36.76 85.8,37.48 85.8,32.84 ; 95.37,37.75 93.3,37.75 ; 55.51,39.87 53.02,39.87 C67.1 ; 93.93,37.69 91.96,37.69 ; 85.08,37.32 85.08,33.25 ; 86.02,38.19 88.28,38.19 ; 92.19,37.69 90.22,37.69 90.17,37.74 ; 93.77,38.19 91.8,38.19 ; 86.17,37.84 85.81,37.48 ; 98.1,37.75 96.03,37.75 ; 94.08,37.69 92.11,37.69 ; 97.67,38.13 95.8,38.13 ; 94.45,38.13 92.38,38.13 ; 93.63,37.69 91.66,37.69 ; 85.08,36.08 85.08,31.44 ; 94.12,37.75 94.07,37.7 ; 55.74,39.91 53.25,39.91 ; v1(57.87,36.85) 56.75,36.85 ; 96.12,38.13 93.29,38.13 ; 56,39.11 55.21,39.9 ; 94.01,38.16 93.97,38.2 ; 96.99,38.13 95.12,38.13 ; 57.02,39.91 54.95,39.91 ; 55.11,39.91 C69.2 ; 90.06,37.84 90.17,37.73 ; 93.57,38.19 91.6,38.19 ; 89.26,37.84 91.52,37.84 ; 97.04,37.75 94.21,37.75
  Top w1.2: 87.6,28.22 87.58,28.24 ; 85.33,28.27 85.64,28.58 89.78,28.58 ; 92.34,24.48 92.34,27.4 C140.1 90.97,28.23 88.82,28.23 ; 89.61,28.24 91.75,28.24 ; 87.56,28.57 89.71,28.57 ; 88.22,28.23 90.36,28.23 ; 88.6,28.36 88.38,28.58 ; 89.58,28.24 86.04,28.24 ; 88.13,28.57 90.27,28.57 ; 87.66,28.22 89.8,28.22
  Top w1.5: 85.55,37.23 86.14,37.82 ; 88.21,37.94 90.47,37.94 ; 87.43,37.94 86.25,37.94 ; 85.57,37.52 85.82,37.77 ; 85.36,35.98 85.36,37.23 ; 85.75,37.69 86,37.94 ; 86.51,37.94 88.77,37.94 ; 85.37,37.32 85.62,37.57 ; 86.07,37.5 86.32,37.75 ; 85.33,37.27 85.58,37.52 ; 86.02,37.6 86.27,37.85
  Top w2: 85.61,36.53 85.61,29.35 86.35,28.61 ; 85.61,37.2 85.61,33.45 ; 87.64,28.16 84.9,28.16 ; 89.1,28.16 86.36,28.16 ; 76.48,12.17 76.61,12.3 76.61,12.34 ; 76.48,12.17 77.44,13.13 77.44,20.71 85.58,28.85 85.58,32.44 ; 76.48,12.17 61.59,12.17 ; 62.16,12.17 61.28,13.05 61.28,32.28 56.01,37.55 56.01,39.4
  Bottom w0.25: 92.53,28.08 D4.2
  Bottom w0.4: v2(99.3,40.07) 99.3,37.02 v2(99.29,37.02) ; v2(57.77,38.89) 57.77,42.23 v2(58.12,42.58)
  Bottom w0.8: v1(93.4,28.08) 92.53,28.08
  Bottom w1: D2.1 v1(57.87,36.85)
+5V: length 90
  Top w1: 105.87,23.49 103.03,20.65 F2.1 ; 103.47,20.2 106.31,23.04
  Top w2.54: P16.2 P16.1 106.03,20.65 F2.1
  Bottom w0.25: 106.01,20.01 106.34,20.35
  Bottom w0.45: 103.93,20.69 106.59,20.69 ; 103.34,19.57 106,19.57 ; 104.58,20.17 106.46,22.06 ; 103.99,21.32 105.88,23.2 ; 103.51,20.9 106.17,20.9 ; 104.29,21 106.95,21 ; 103.29,19.87 103.29,20.88 ; 103.91,19.57 106.57,19.57 ; 103.94,20.39 105.82,22.28 ; 103.72,21 106.38,21 ; 103.45,21 106.11,21 ; 104.12,20.86 106.78,20.86 ; 103.29,19.99 103.29,21 ; 103.32,20.71 105.98,20.71 ; 103.29,19.57 105.95,19.57 ; 104.09,21.39 105.97,23.28 ; 103.6,20.44 105.48,22.33 ; 104.23,20.2 106.11,22.09 ; 104.29,21.6 106.17,23.49 ; 103.3,20.61 105.18,22.5 ; 103.32,21 105.98,21 ; 103.52,20.84 105.4,22.73
  Bottom w0.5: 103.36,20.21 106.02,20.21 ; 103.47,19.63 106.13,19.63 ; 103.37,19.8 106.03,19.8 ; 103.48,19.62 106.14,19.62 ; 103.32,20.4 105.98,20.4 ; Q6.4 106.01,20.01
  Bottom w2: 106.34,20.35 106.42,20.35
  Bottom w2.54: P16.2 106.34,20.35
GND: length 936.2
  Top w0.25: v1(20.54,57.73) 19.85,57.03 R73.2 ; 94.05,63.22 94.06,63.23 v2(94.09,63.23) ; 60.51,41.66 60.32,41.66 ; C171.2 97.84,63.94 ; C60.2 93.47,40.73 ; 28.04,52.25 v1(27.96,52.33) ; U7.11 100.9,39.06 U7.4 U7.5 ; 91.59,62.46 C148.2 91.78,62.46 ; 17.35,51.25 U12.3 14.45,51.25 U12.29 ; 25.8,43.37 25.79,43.36 ; v2(96.31,50.85) 96.33,50.87 ; U22.39_9 U22.39_21 U22.39_7 ; U3.22 109.21,59.15 U3.25 108.71,59.15 U3.4 ; U11.6 U11.3 ; C147.2 95.43,53.25 ; U28.1 86.31,49.43 86.66,49.78 ; 11.43,58.24 v1(11.49,58.18) ; 60.51,41.16 59.82,41.16 ; 60.33,41.66 U8.11 59.83,41.16 ; 108.02,39.34 C81.1 ; 90.96,81.84 91.01,81.89
  Top w0.3: 98.33,81.86 98.28,81.9 ; U28.10 87.31,50.53
  Top w0.35: 59.76,41.49 60.77,41.49 ; 59.76,41.35 60.77,41.35 ; 59.76,41.41 60.77,41.41 ; 60.77,41.41 60.77,41.2 ; 60.77,41.62 60.77,41.41 ; 59.76,41.3 60.77,41.3
  Top w0.4: C21.2 95.56,81.44 U4.2 ; v2(92.47,61.46) 91.59,62.34 91.59,62.46 ; C172.1 94.06,63.23 v2(94.09,63.23) ; 91.5,60.99 v2(90.85,61.64) ; v2(17.48,51.12) 17.35,51.25 ; 16.9,51.25 17.39,51.25 ; 17.54,51.11 17.4,51.25 ; v2(100.26,61.7) 100.24,61.7 99.48,62.46 ; v2(97.14,63.25) 97.15,63.25 97.84,63.94
  Top w0.5: R75.2 v1(11.49,58.18) 11.43,58.24 ; v1(10.53,88.37) 10.53,88.21 D7.1 ; v1(82.87,81.16) v1(77.53,81.16) ; v1(57.58,18.16) v1(52.24,18.16) ; v2(96.26,47.73) 96.99,47 C169.2 ; v1(10.54,76.38) 10.54,76.2 D22.1 ; v1(68.43,18.16) v1(63.09,18.16) ; 101.78,39.27 101.78,39.35 ; v1(64.97,81.16) v1(59.63,81.16) ; D20.1 11.1,78.72 10.54,79.27 v1(10.54,79.38) ; v1(34.64,18.16) v1(39.98,18.16) ; 10.37,69.21 10.37,68.8 D19.1 ; v1(48.83,81.16) v1(54.17,81.16) ; v1(80.18,18.34) v1(85.52,18.34) ; D6.1 10.54,91.2 v1(10.54,91.35) ; v1(10.41,65.99) 10.41,65.76 D9.1 ; 101.74,39.32 100.28,39.32 ; 95.43,53.25 94.7,52.52 v2(94.7,52.49) ; C49.2 99.39,62.44 ; v1(10.66,85.35) 10.66,85.08 D8.1 ; 94.39,55.09 94.43,55.05 95.21,55.05 C150.2 ; C30.1 96.97,72.58 v1(97.05,72.58) ; v1(27.84,50.93) R72.1 ; 15.89,51.25 13.94,51.25 ; C170.1 96.99,51.54 v2(96.31,50.85) ; v1(10.54,82.38) 10.54,82.25 D18.1 ; 104.83,30.31 104.81,30.32 v1(103.71,30.32) ; v1(23.82,51.37) 24.7,51.37 C102.1 ; v1(36.97,81.16) v1(31.63,81.16) ; v1(23.82,52.28) 23.9,52.37 C108.2 ; 26.72,52.33 v1(27.96,52.33) ; C31.2 94.13,72.57 v1(94.1,72.57) ; 93.2,64 C172.1
  Top w0.6: SW2.2 25.96,43.37 ; C83.1 v1(109.9,40.97) ; U10.1 U10.2 ; 93.59,40.42 93.23,40.05 v1(93.23,39.29) 93.23,40.45 93.53,40.75 ; 112.72,43.77 v1(114.24,43.77)
  Top w0.7: 93.9,24.27 93.9,18.01 ; 94.21,24.99 94.21,18.73 ; 93.83,24.11 93.83,17.85
  Top w0.8: C75.1 C72.1 112.96,15.97 R44.1 ; 67.8,71.22 67.61,71.22 v1(67,71.83) ; D16.2 102.16,84.54 v1(102.16,85.43) ; v1(112.69,51.62) 112.68,51.62 111.38,51.62 ; 52.73,43.05 52.78,43.1 v1(52.78,44.32) ; R17.1 106.53,62.2 v1(106.53,61.58) ; v1(66.33,67.61) 67.03,68.31 C105.1 ; C27.1 v1(110.91,64.28) ; v1(102.18,68.36) 102.17,68.37 D10.2 ; 1.76,24.82 v1(1.76,26.52) ; v1(104.98,85.49) 104.98,84.56 ; v1(49.64,33.49) 49.93,33.2 C110.1 ; v1(98.28,82.89) 98.28,81.9 ; v1(68.11,65.79) 67.81,66.09 C107.1 ; v1(9.48,17.49) 9.48,18.71 ; C80.1 v1(65.56,42.51) ; v1(94.88,39.34) C70.1 C68.1 97.33,39.35 97.33,41.46 C73.1 ; v1(97.22,82.72) 96.66,82.16 C21.2 ; 91.66,62.46 C148.2 ; v1(89.17,55.51) 89.62,55.06 C33.1 ; 112.35,15.97 112.32,16 v1(112.32,16.96) ; v1(112.74,46.97) R28.1 ; v1(19.14,77.8) 19.14,76.64 ; v1(12.3,18.86) 12.87,19.43 C120.1 ; 99.96,31.34 v1(101.81,31.34) ; C34.1 v1(89.62,52.11) ; 8.09,31.65 U22.39_1 U22.39_7 U22.39_9 U22.39_3 8.09,31.65 ; 8.09,31.65 8.43,31.31 U22.39_20 ; 62.61,43.28 v1(61.23,43.28) ; C54.2 v1(102.05,62.44) ; v1(1.76,23.07) 1.76,25 1.77,25.01 ; v1(18.21,28.18) 18.61,27.78 19.51,27.78 ; C82.1 v1(67.06,42.51) ; 88.78,29.85 v1(88.78,31.12) ; v1(92.08,81.89) 91.01,81.89 ; 103.42,41.04 105.82,41.04 106.49,40.37 106.49,39.3 ; v1(54.5,42.68) 54.51,42.67 C71.1 ; v1(3.02,19.09) C131.1 ; v1(94.45,43.86) 95.28,43.86 95.35,43.79 ; v1(68.19,25.88) 67.71,25.39 C109.1 ; v1(51.27,29.25) 51.03,29.49 C116.1 ; v1(87.82,20.79) 87.8,20.81 R88.1 ; v1(108.01,40.36) 108.01,40.36 108.01,39.34 ; C87.1 v1(97.42,30.8) ; C91.1 88.71,58.07 88.24,57.6 v1(88.24,56.93) ; 18.62,27.85 19.52,27.85 ; 95.32,45.24 v1(94.42,45.24) ; R4.1 v1(111.78,78.82) ; 89.52,45.39 C44.1 ; C85.1 v1(114.19,37.79) ; v1(6.08,18.94) C133.1 ; C112.1 50.81,30.95 v1(51.38,31.52) ; v1(56.01,42.61) 56,42.61 C69.1 ; 89.51,45.35 v1(90.54,45.35) ; v1(89.09,62.46) C159.2 ; 91.48,31.33 v1(93.02,31.33) ; 4.54,20.02 C103.1 v1(4.55,19.08) ; v1(51.05,74.98) 50.12,75.91 C101.1 C111.1 C115.1 ; v1(104.97,74.22) 104.98,74.22 104.98,73.28 ; 1.76,42.17 v1(1.76,40.47) ; C114.1 49.94,27.89 v1(50.63,27.2) ; C119.1 v1(66.53,69.76) ; v1(102.18,79.63) 102.18,80.57 ; v1(102.17,74.16) 102.17,74.16 D27.2 ; 99.15,31.82 v1(99.15,30.44) ; 84.56,46.86 v1(83.53,46.86) ; 113.11,43.47 112.71,43.47 ; v1(101.89,57.88) R23.1 ; v1(66.34,24.11) 67.08,23.37 C104.1 C117.1 ; 89.51,46.88 v1(90.54,46.88) ; 104.96,69.22 104.96,68.29 ; 84.56,45.36 v1(83.53,45.36) ; 1.77,42.01 v1(1.77,43.71) ; 90.47,31.83 v1(90.47,30.45) ; U22.39_2 U22.39_8 ; v1(104.97,79.62) 104.97,80.56 ; v1(110.48,37.8) 111.37,37.8 ; U22.39_21 U22.39_11 ; v1(49.66,73.54) 50.08,73.96 C106.1 ; 89.63,43.85 v1(90.53,43.85) ; C89.1 v1(95.82,30.77) ; C79.1 108.02,39.34 ; C19.2 v1(97.41,83.64) ; v1(7.61,18.97) C134.1 ; 55.77,43.91 v1(54.87,43.91)